# KiCad board RASRF2400WBMC.kicad_pcb
title: RASentinel Radio Frontend 2400MHz Wideband Multi-Channel; date: 2026-05-30; rev: A; company: Mina Daneshpajouh
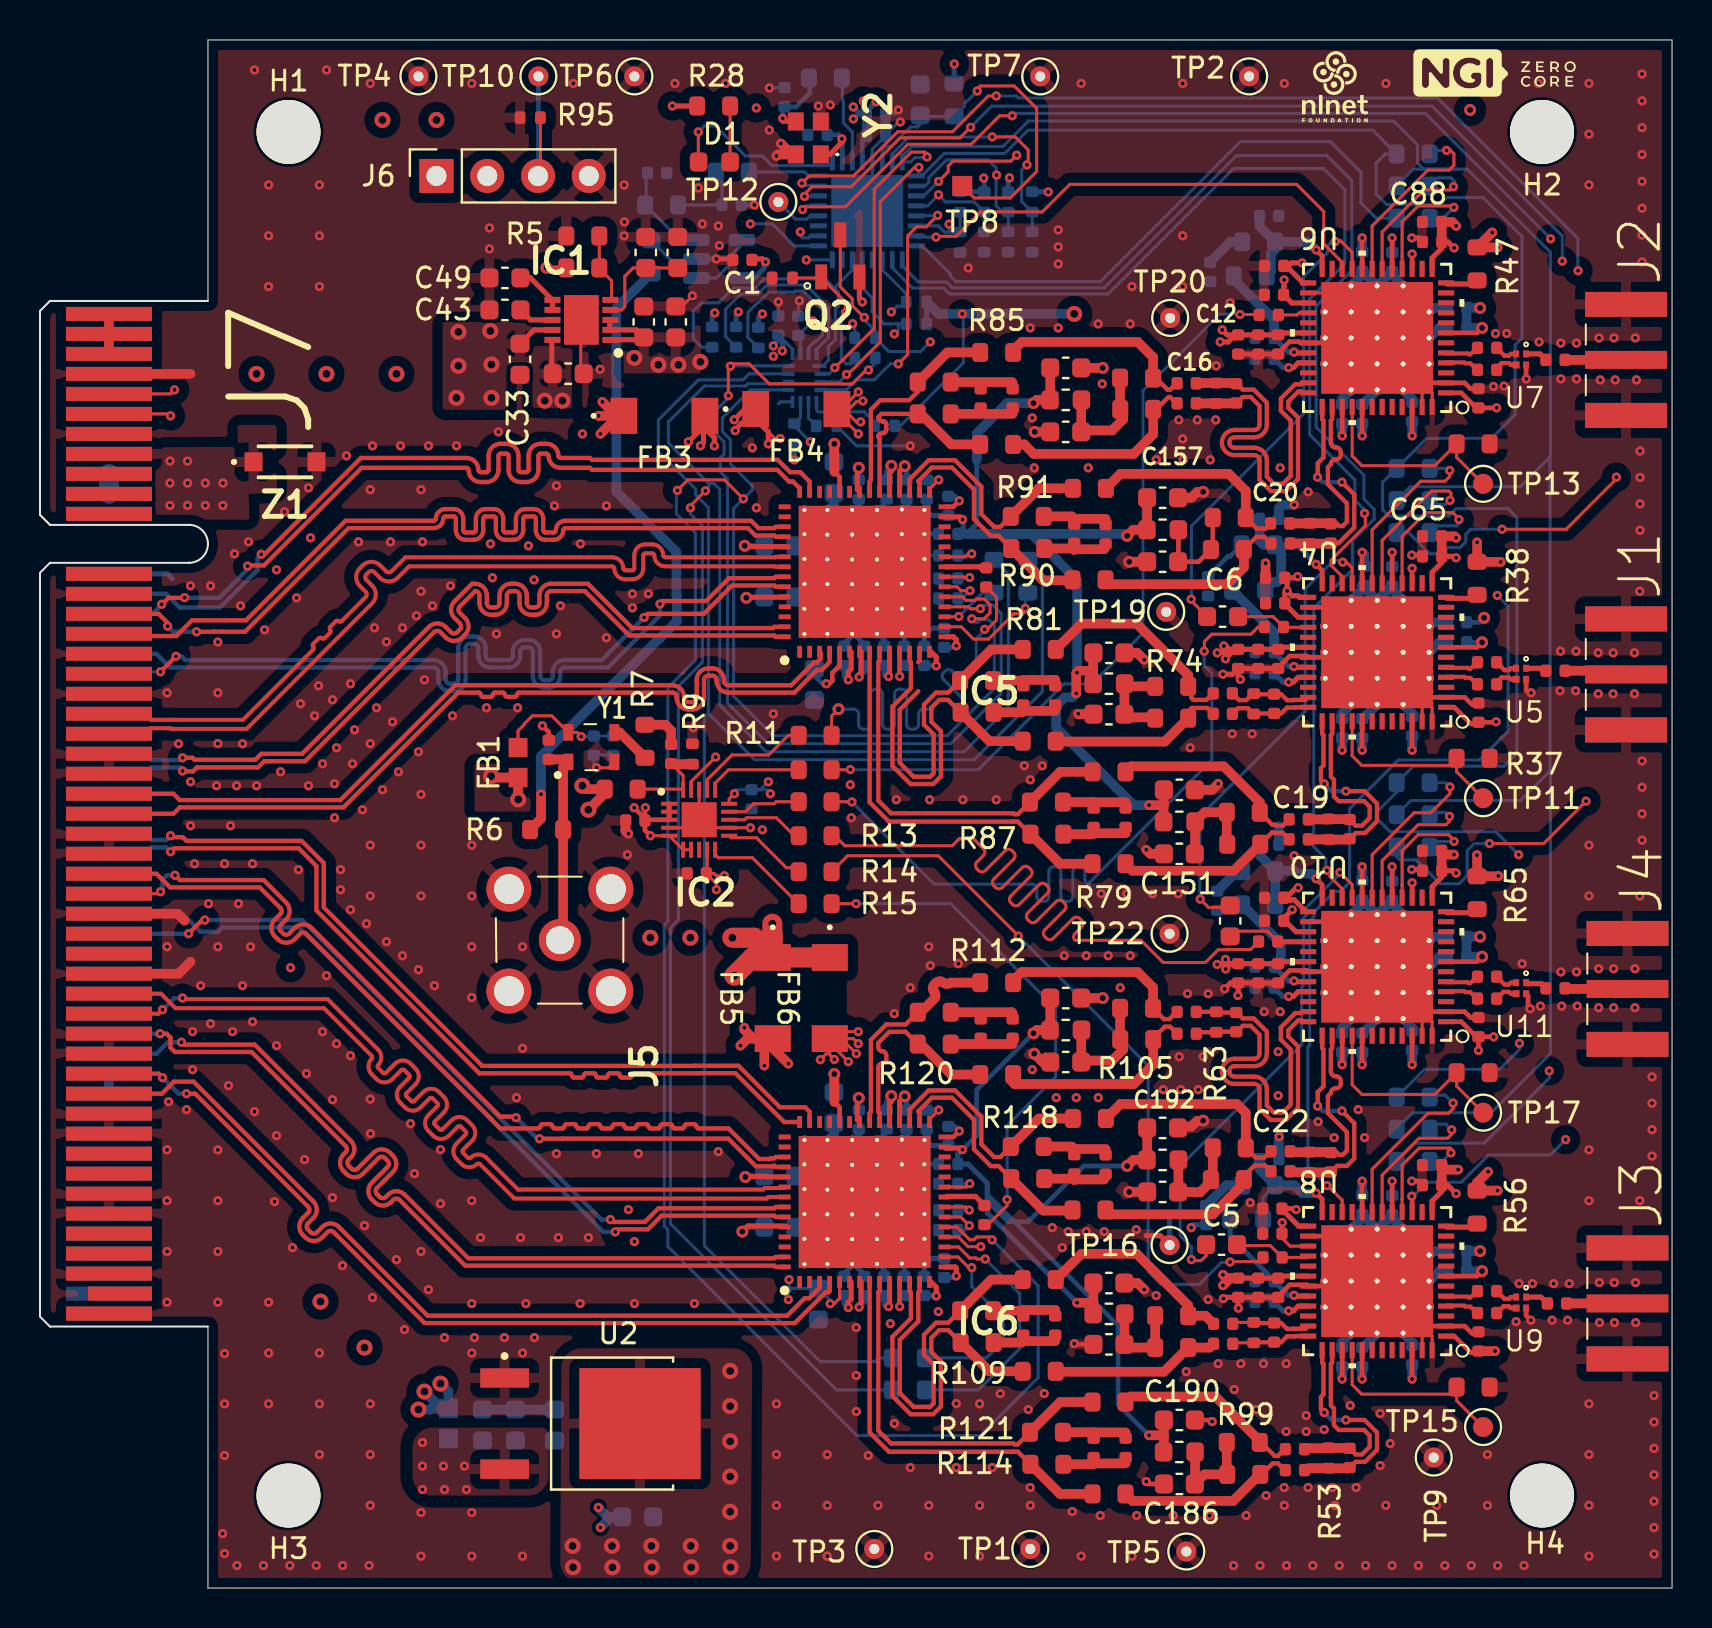
[diagram p0: board, top side]
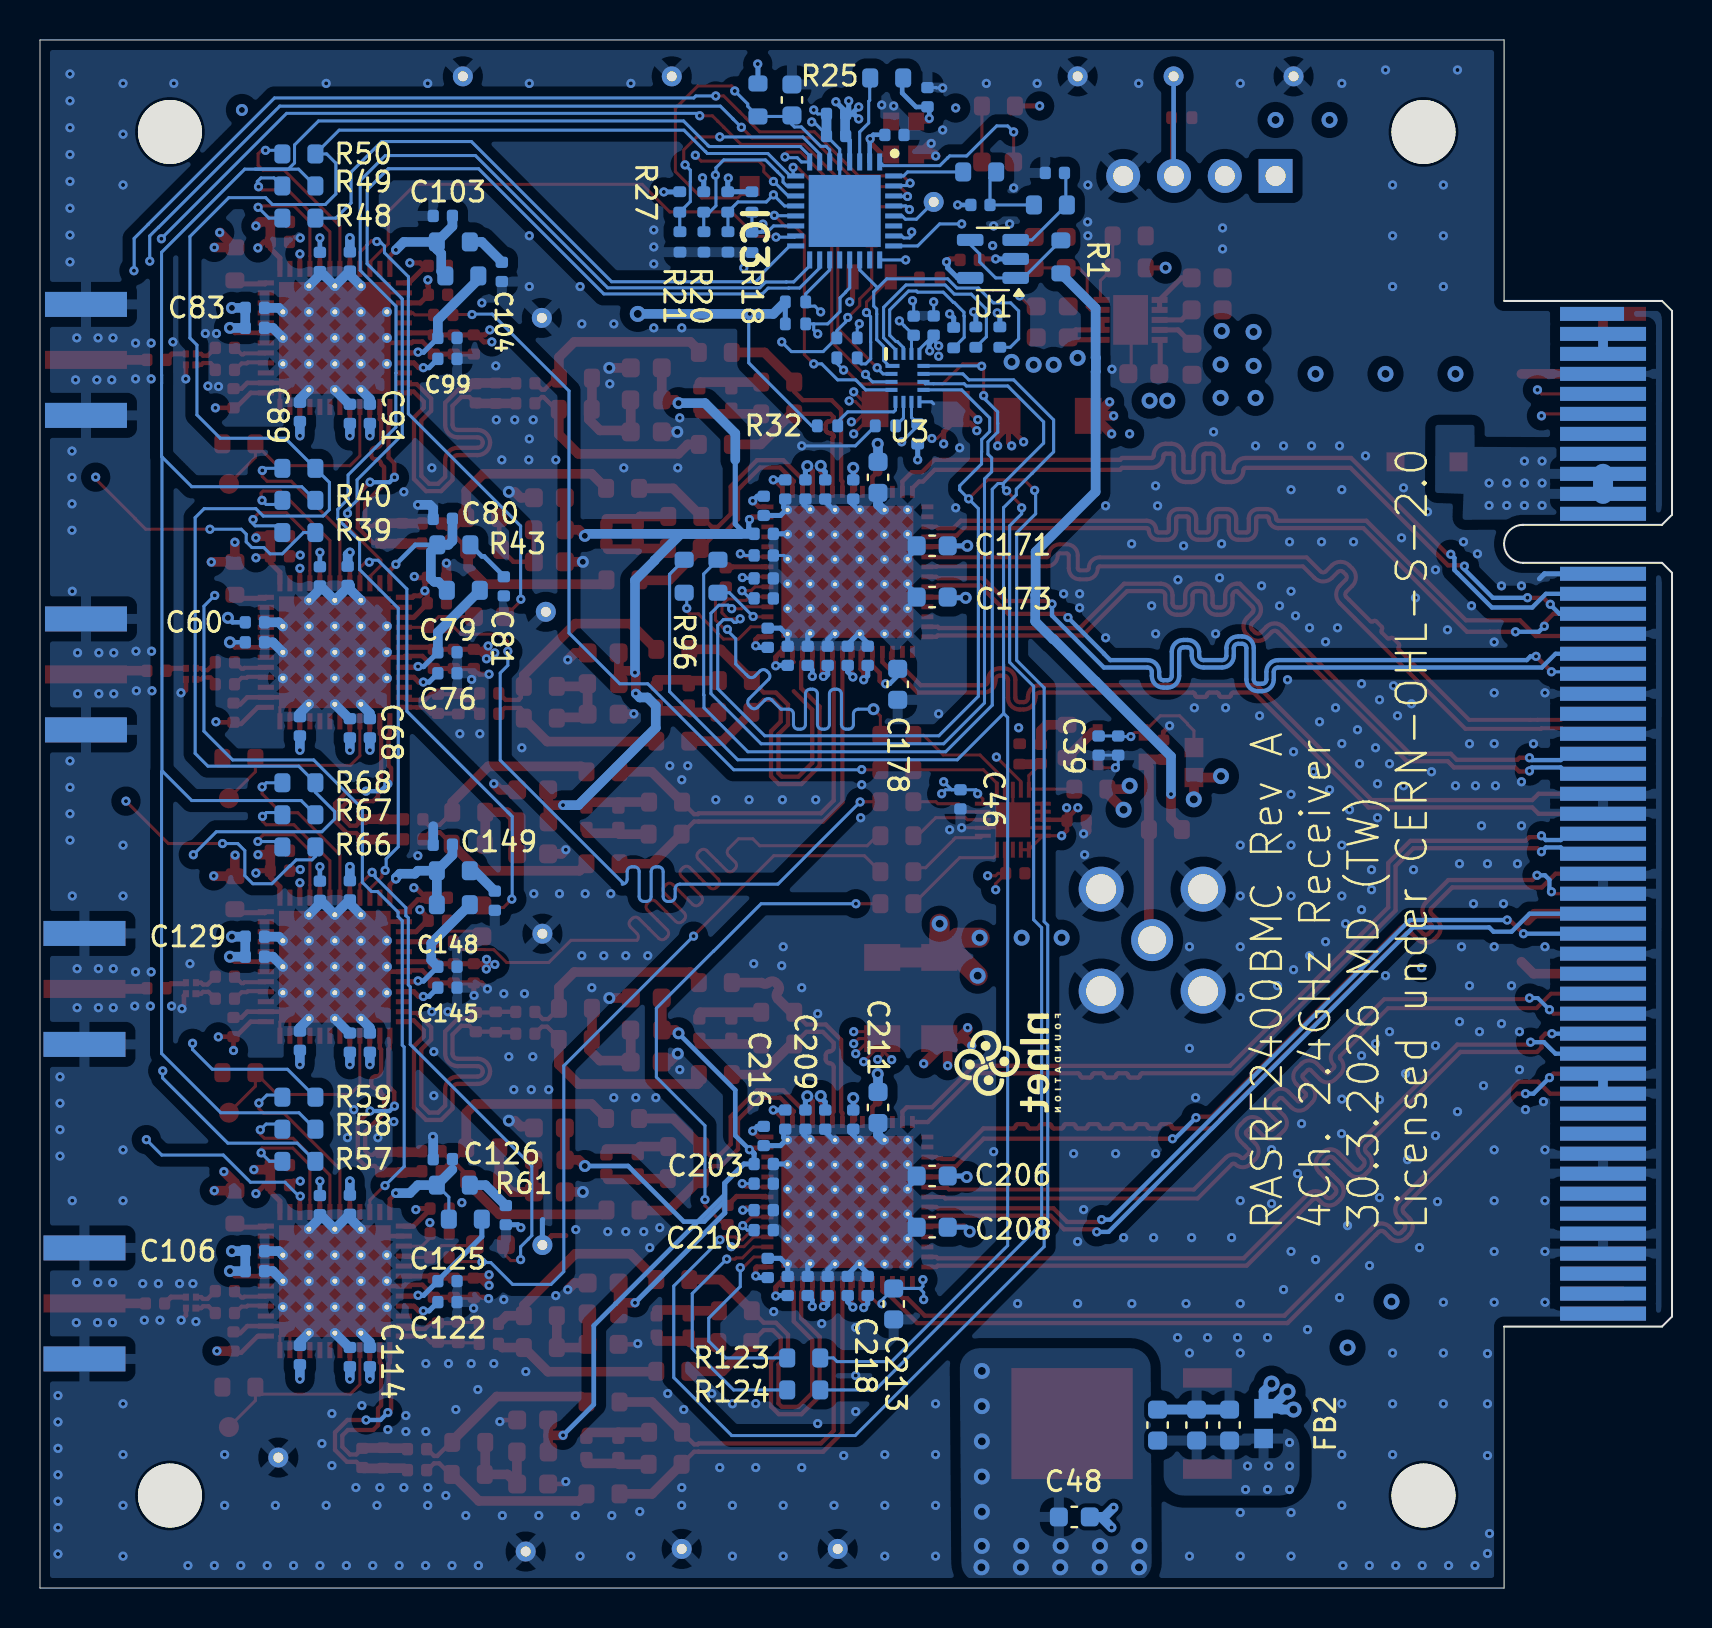
[diagram p1: board, bottom side, seen from below]

Outline 81.63 x 77.42 mm; copper layers: Top, In1.Cu (plane), In2.Cu (plane), In3.Cu (plane), In4.Cu (plane), Bottom. Coordinates in mm from the lower left corner of the outline.
Outline path: 8.4,64.38 8.4,77.42 81.63,77.42 81.63,0 8.4,0 8.4,13.08
Stack: Top 0.0305mm / dielectric 0.2032mm FR4 er 4.5 / In1.Cu 0.0305mm / dielectric 0.2032mm FR4 er 4.5 / In2.Cu 0.0305mm / dielectric 0.2032mm FR4 er 4.5 / In3.Cu 0.0305mm / dielectric 0.2032mm FR4 er 4.5 / In4.Cu 0.0305mm / dielectric 0.2032mm FR4 er 4.5 / Bottom 0.0305mm

## Placement (name value [footprint] x y rotation side)
C1  100nF  [C_0402_1005Metric]  35.13 66.42 180 top
C2  2200pF  [C_0402_1005Metric]  30.87 70.77 0 bottom  (not fitted)
C3  2200pF  [C_0402_1005Metric]  34.59 69.17 0 bottom
C4  100nF  [C_0603_1608Metric]  59.53 33.36 270 top  (not fitted)
C5  100nF  [C_0603_1608Metric]  59.1 17.17 0 top  (not fitted)
C6  100nF  [C_0603_1608Metric]  59.15 48.58 0 top  (not fitted)
C7  47pF  [C_0402_1005Metric]  75.8 45.88 180 top
C8  47pF  [C_0402_1005Metric]  75.8 61.42 180 top
C9  47pF  [C_0402_1005Metric]  75.88 14.23 180 top
C10  47pF  [C_0402_1005Metric]  75.8 30 180 top
C11  100nF  [C_0402_1005Metric]  61.65 16.53 0 top
C12  100nF  [C_0402_1005Metric]  61.46 63.67 0 top
C13  100nF  [C_0402_1005Metric]  61.43 32.33 0 top
C14  100nF  [C_0402_1005Metric]  61.72 48.06 0 top
C15  100nF  [C_0402_1005Metric]  59.16 44.75 180 top
C16  100nF  [C_0402_1005Metric]  57.35 60.25 180 top
C17  100nF  [C_0402_1005Metric]  59.18 13.22 180 top
C18  100nF  [C_0402_1005Metric]  57.35 28.81 180 top
C19  100nF  [C_0402_1005Metric]  62.96 38.45 0 top
C20  100nF  [C_0402_1005Metric]  62.03 53.25 0 top
C21  100nF  [C_0402_1005Metric]  62.77 6.94 0 top
C22  100nF  [C_0402_1005Metric]  62.05 21.84 0 top
C23  100nF  [C_0402_1005Metric]  62.96 37.44 180 top
C24  100nF  [C_0402_1005Metric]  59.16 43.72 180 top
C25  100nF  [C_0402_1005Metric]  62.05 52.25 180 top
C26  100nF  [C_0402_1005Metric]  57.35 59.25 180 top
C27  100nF  [C_0402_1005Metric]  62.77 5.89 180 top
C28  100nF  [C_0402_1005Metric]  59.18 12.22 180 top
C29  100nF  [C_0402_1005Metric]  62.05 20.84 180 top
C30  100nF  [C_0402_1005Metric]  57.35 27.72 180 top
C31  100nF  [C_0402_1005Metric]  47.33 50.55 90 top
C32  100nF  [C_0402_1005Metric]  47.24 18.66 90 top
C33  10uF  [C_0603_1608Metric]  24.01 61.45 270 top
C34  10uF  [C_0603_1608Metric]  26.42 60.73 0 top
C35  10uF  [C_0603_1608Metric]  23.78 8.15 90 bottom
C36  100nF  [C_0402_1005Metric]  27.7 42.14 270 bottom
C37  100nF  [C_0603_1608Metric]  25.73 8.15 90 bottom
C38  10uF  [C_0603_1608Metric]  31.9 66.8 90 top
C39  10nF  [C_0402_1005Metric]  28.68 42.14 270 bottom
C40  1uF  [C_0603_1608Metric]  30.3 66.8 90 top
C41  100nF  [C_0402_1005Metric]  25.45 41.92 90 top
C42  10uF  [C_0603_1608Metric]  22.13 8.15 90 bottom
C43  1uF  [C_0603_1608Metric]  23.25 63.92 180 top
C44  100nF  [C_0402_1005Metric]  31.57 41.72 90 top
C45  10nF  [C_0402_1005Metric]  32.85 35.75 180 top
C46  10nF  [C_0402_1005Metric]  35.59 39.44 270 bottom
C47  10nF  [C_0402_1005Metric]  29.78 38.39 180 top
C48  10uF  [C_0603_1608Metric]  29.9 3.56 180 bottom
C49  1uF  [C_0603_1608Metric]  23.25 65.53 180 top
C50  10uF  [C_0603_1608Metric]  30.2 63.33 90 top
C51  10uF  [C_0603_1608Metric]  31.8 63.33 90 top
C52  6pF  [C_0402_1005Metric]  38.89 72.67 180 bottom
C53  100nF  [C_0603_1608Metric]  44.02 74.42 90 bottom  (not fitted)
C54  6pF  [C_0402_1005Metric]  37.24 74.56 90 bottom
C55  10uF  [C_0402_1005Metric]  41.81 73.72 0 bottom
C56  100nF  [C_0402_1005Metric]  41.81 72.62 0 bottom
C57  100nF  [C_0402_1005Metric]  37.93 63.14 270 bottom
C58  100nF  [C_0402_1005Metric]  36.93 63.14 270 bottom
C59  10uF  [C_0402_1005Metric]  59.93 46.47 90 top
C60  10uF  [C_0402_1005Metric]  70.88 48.3 0 bottom
C61  100pF  [C_0402_1005Metric]  69.63 51.6 0 top
C62  100pF  [C_0402_1005Metric]  66.24 50.62 270 bottom
C63  10uF  [C_0402_1005Metric]  70.88 47.3 0 bottom
C64  10nF  [C_0402_1005Metric]  61.78 50.53 180 top
C65  100pF  [C_0402_1005Metric]  69.63 52.6 0 top
C66  10nF  [C_0402_1005Metric]  68.63 43.1 90 bottom
C67  10nF  [C_0402_1005Metric]  60.93 46.47 270 top
C68  100pF  [C_0402_1005Metric]  66.13 43 90 bottom
C69  10nF  [C_0402_1005Metric]  71.95 43.78 90 top
C70  100pF  [C_0402_1005Metric]  67.63 50.6 270 bottom
C71  10pF  [C_0402_1005Metric]  65.5 37.95 270 top  (not fitted)
C72  10pF  [C_0402_1005Metric]  61.73 44.22 90 top  (not fitted)
C73  10uF  [C_0402_1005Metric]  61.78 49.25 0 top
C74  10nF  [C_0402_1005Metric]  65.13 43 90 bottom
C75  100pF  [C_0402_1005Metric]  61.93 46.47 90 top
C76  100nF  [C_0402_1005Metric]  61.25 45.75 0 bottom
C77  1.5pF  [C_0402_1005Metric]  72.38 46.3 180 top
C78  1.5pF  [C_0402_1005Metric]  72.38 45.2 180 top
C79  68pF  [C_0402_1005Metric]  61.25 46.8 0 bottom
C80  100pF  [C_0402_1005Metric]  61.48 53.47 180 bottom
C81  2200pF  [C_0402_1005Metric]  58.43 50.1 90 bottom
C82  10uF  [C_0402_1005Metric]  59.93 62.19 90 top
C83  10uF  [C_0402_1005Metric]  70.88 64.02 0 bottom
C84  100pF  [C_0402_1005Metric]  69.63 67.32 0 top
C85  100pF  [C_0402_1005Metric]  66.13 66.34 270 bottom
C86  10uF  [C_0402_1005Metric]  70.88 63.02 0 bottom
C87  10nF  [C_0402_1005Metric]  61.73 66.12 180 top
C88  100pF  [C_0402_1005Metric]  69.63 68.32 0 top
C89  10nF  [C_0402_1005Metric]  68.63 58.83 90 bottom
C90  10nF  [C_0402_1005Metric]  60.93 62.19 270 top
C91  100pF  [C_0402_1005Metric]  66.13 58.72 90 bottom
C92  10nF  [C_0402_1005Metric]  71.95 59.5 90 top
C93  100pF  [C_0402_1005Metric]  67.63 66.33 270 bottom
C94  10pF  [C_0402_1005Metric]  64.56 52.75 270 top  (not fitted)
C95  10pF  [C_0402_1005Metric]  59.83 59.75 90 top  (not fitted)
C96  10uF  [C_0402_1005Metric]  61.72 64.69 0 top
C97  10nF  [C_0402_1005Metric]  65.13 58.72 90 bottom
C98  100pF  [C_0402_1005Metric]  61.93 62.19 90 top
C99  100nF  [C_0402_1005Metric]  61.25 61.47 0 bottom
C100  1.5pF  [C_0402_1005Metric]  72.38 62.02 180 top
C101  1.5pF  [C_0402_1005Metric]  72.38 60.92 180 top
C102  68pF  [C_0402_1005Metric]  61.25 62.52 0 bottom
C103  100pF  [C_0402_1005Metric]  61.48 68.62 180 bottom
C104  2200pF  [C_0402_1005Metric]  58.53 65.83 90 bottom
C105  10uF  [C_0402_1005Metric]  59.93 15.02 90 top
C106  10uF  [C_0402_1005Metric]  70.88 16.85 0 bottom
C107  100pF  [C_0402_1005Metric]  69.63 20.15 0 top
C108  100pF  [C_0402_1005Metric]  66.13 19.17 270 bottom
C109  10uF  [C_0402_1005Metric]  70.88 15.85 0 bottom
C110  10nF  [C_0402_1005Metric]  61.64 18.97 180 top
C111  100pF  [C_0402_1005Metric]  69.63 21.15 0 top
C112  10nF  [C_0402_1005Metric]  68.63 11.65 90 bottom
C113  10nF  [C_0402_1005Metric]  60.93 15.02 270 top
C114  100pF  [C_0402_1005Metric]  66.13 11.55 90 bottom
C115  10nF  [C_0402_1005Metric]  71.95 12.33 90 top
C116  100pF  [C_0402_1005Metric]  67.63 19.15 270 bottom
C117  10pF  [C_0402_1005Metric]  65.5 6.5 270 top  (not fitted)
C118  10pF  [C_0402_1005Metric]  61.73 12.77 90 top  (not fitted)
C119  10uF  [C_0402_1005Metric]  61.64 17.72 0 top
C120  10nF  [C_0402_1005Metric]  65.13 11.55 90 bottom
C121  100pF  [C_0402_1005Metric]  61.93 15.02 90 top
C122  100nF  [C_0402_1005Metric]  61.25 14.3 0 bottom
C123  1.5pF  [C_0402_1005Metric]  72.38 14.85 180 top
C124  1.5pF  [C_0402_1005Metric]  72.38 13.75 180 top
C125  68pF  [C_0402_1005Metric]  61.25 15.35 0 bottom
C126  100pF  [C_0402_1005Metric]  61.48 21.45 180 bottom
C127  2200pF  [C_0402_1005Metric]  58.33 18.65 90 bottom
C128  10uF  [C_0402_1005Metric]  59.93 30.74 90 top
C129  10uF  [C_0402_1005Metric]  70.88 32.57 0 bottom
C130  100pF  [C_0402_1005Metric]  69.63 35.87 0 top
C131  100pF  [C_0402_1005Metric]  66.13 34.89 270 bottom
C132  10uF  [C_0402_1005Metric]  70.88 31.57 0 bottom
C133  10nF  [C_0402_1005Metric]  61.73 34.53 180 top
C134  100pF  [C_0402_1005Metric]  69.63 36.87 0 top
C135  10nF  [C_0402_1005Metric]  68.63 27.37 90 bottom
C136  10nF  [C_0402_1005Metric]  60.93 30.74 270 top
C137  100pF  [C_0402_1005Metric]  66.13 27.27 90 bottom
C138  10nF  [C_0402_1005Metric]  71.95 28.05 90 top
C139  100pF  [C_0402_1005Metric]  67.63 34.87 270 bottom
C140  10pF  [C_0402_1005Metric]  64.56 21.29 270 top  (not fitted)
C141  10pF  [C_0402_1005Metric]  59.83 28.3 90 top  (not fitted)
C142  10uF  [C_0402_1005Metric]  61.73 33.38 0 top
C143  10nF  [C_0402_1005Metric]  65.13 27.27 90 bottom
C144  100pF  [C_0402_1005Metric]  61.93 30.74 90 top
C145  100nF  [C_0402_1005Metric]  61.25 30.02 0 bottom
C146  1.5pF  [C_0402_1005Metric]  72.38 30.57 180 top
C147  1.5pF  [C_0402_1005Metric]  72.38 29.47 180 top
C148  68pF  [C_0402_1005Metric]  61.25 31.07 0 bottom
C149  100pF  [C_0402_1005Metric]  61.48 37.17 180 bottom
C150  2200pF  [C_0402_1005Metric]  58.88 34.37 90 bottom
C151  100nF  [C_0603_1608Metric]  56.99 36.72 180 top
C152  100nF  [C_0603_1608Metric]  53.47 43.7 180 top
C153  100nF  [C_0603_1608Metric]  56.15 51.33 180 top
C154  100nF  [C_0603_1608Metric]  51.31 57.83 180 top
C155  100nF  [C_0603_1608Metric]  56.99 39.92 0 top
C156  100nF  [C_0603_1608Metric]  53.47 46.77 0 top
C157  100nF  [C_0603_1608Metric]  56.15 54.53 0 top
C158  100nF  [C_0603_1608Metric]  51.31 61.02 0 top
C159  11pF  [C_0402_1005Metric]  52.7 38.53 90 top
C160  11pF  [C_0402_1005Metric]  49.18 44.64 270 top
C161  11pF  [C_0402_1005Metric]  51.73 52.72 90 top
C162  11pF  [C_0402_1005Metric]  47.05 59.5 270 top
C163  11pF  [C_0402_1005Metric]  54.3 38.52 90 top
C164  11pF  [C_0402_1005Metric]  50.78 44.64 270 top
C165  11pF  [C_0402_1005Metric]  53.3 52.7 90 top
C166  11pF  [C_0402_1005Metric]  48.65 59.5 270 top
C167  100nF  [C_0402_1005Metric]  45.43 50.5 0 bottom
C168  100nF  [C_0402_1005Metric]  45.43 52.72 180 bottom
C169  100nF  [C_0402_1005Metric]  40.95 54.94 270 bottom
C170  100nF  [C_0402_1005Metric]  42.35 54.94 270 bottom
C171  0.22uF  [C_0603_1608Metric]  37 52.12 0 bottom
C172  100nF  [C_0402_1005Metric]  44.35 54.94 270 bottom
C173  0.22uF  [C_0603_1608Metric]  37 49.56 0 bottom
C174  100nF  [C_0402_1005Metric]  43.35 54.94 270 bottom
C175  100nF  [C_0402_1005Metric]  45.43 49.5 180 bottom
C176  0.22uF  [C_0603_1608Metric]  39.71 55.55 270 bottom
C177  100nF  [C_0402_1005Metric]  45.43 51.64 180 bottom
C178  0.22uF  [C_0603_1608Metric]  38.73 45.2 270 bottom
C179  100nF  [C_0402_1005Metric]  43.23 46.62 90 bottom
C180  100nF  [C_0402_1005Metric]  45.23 47.53 90 bottom
C181  100nF  [C_0402_1005Metric]  45.43 54.12 270 bottom
C182  100nF  [C_0402_1005Metric]  44.23 46.62 90 bottom
C183  100nF  [C_0402_1005Metric]  40.23 46.62 90 bottom
C184  100nF  [C_0402_1005Metric]  42.23 46.62 90 bottom
C185  100nF  [C_0402_1005Metric]  41.23 46.62 90 bottom
C186  100nF  [C_0603_1608Metric]  56.99 5.2 180 top
C187  100nF  [C_0603_1608Metric]  53.47 12.19 180 top
C188  100nF  [C_0603_1608Metric]  56.15 19.81 180 top
C189  100nF  [C_0603_1608Metric]  51.31 26.31 180 top
C190  100nF  [C_0603_1608Metric]  56.99 8.4 0 top
C191  100nF  [C_0603_1608Metric]  53.47 15.25 0 top
C192  100nF  [C_0603_1608Metric]  56.15 23.01 0 top
C193  100nF  [C_0603_1608Metric]  51.31 29.51 0 top
C194  11pF  [C_0402_1005Metric]  52.7 7.01 90 top
C195  11pF  [C_0402_1005Metric]  49.18 13.13 270 top
C196  11pF  [C_0402_1005Metric]  51.73 21.19 90 top
C197  11pF  [C_0402_1005Metric]  47.05 27.98 270 top
C198  11pF  [C_0402_1005Metric]  54.3 7.01 90 top
C199  11pF  [C_0402_1005Metric]  50.78 13.13 270 top
C200  11pF  [C_0402_1005Metric]  53.3 21.18 90 top
C201  11pF  [C_0402_1005Metric]  48.65 27.98 270 top
C202  100nF  [C_0402_1005Metric]  45.43 18.9 0 bottom
C203  100nF  [C_0402_1005Metric]  45.43 21.21 180 bottom
C204  100nF  [C_0402_1005Metric]  40.95 23.43 270 bottom
C205  100nF  [C_0402_1005Metric]  42.35 23.43 270 bottom
C206  0.22uF  [C_0603_1608Metric]  37 20.61 0 bottom
C207  100nF  [C_0402_1005Metric]  44.35 23.43 270 bottom
C208  0.22uF  [C_0603_1608Metric]  37 18.04 0 bottom
C209  100nF  [C_0402_1005Metric]  43.35 23.43 270 bottom
C210  100nF  [C_0402_1005Metric]  45.43 17.9 180 bottom
C211  0.22uF  [C_0603_1608Metric]  39.71 24.03 270 bottom
C212  100nF  [C_0402_1005Metric]  45.43 20.22 180 bottom
C213  0.22uF  [C_0603_1608Metric]  38.93 14.21 270 bottom
C214  100nF  [C_0402_1005Metric]  43.23 15.11 90 bottom
C215  100nF  [C_0402_1005Metric]  45.23 16.01 90 bottom
C216  100nF  [C_0402_1005Metric]  45.43 22.61 270 bottom
C217  100nF  [C_0402_1005Metric]  44.23 15.11 90 bottom
C218  100nF  [C_0402_1005Metric]  40.23 15.11 90 bottom
C219  100nF  [C_0402_1005Metric]  42.23 15.11 90 bottom
C220  100nF  [C_0402_1005Metric]  41.23 15.11 90 bottom
D1  APTD1608SECK/J4-PF  [LED_0603_1608Metric]  33.73 71.33 0 top
FB1  BLM18BD601BH1D  [IND_BLM18_0603_MUR]  23.91 41.28 90 top
FB2  BLM18SG331TN1B  [IND_BLM18_0603_MUR]  20.43 8.22 90 bottom
FB3  BLM41PG102SN1L  [IND_BLM41_1806_MUR]  31.23 58.62 0 top
FB4  BLM41PG102SN1L  [IND_BLM41_1806_MUR]  37.83 58.97 0 top
FB5  BLM41PG102SN1L  [IND_BLM41_1806_MUR]  36.65 29.51 270 top
FB6  BLM41PG102SN1L  [IND_BLM41_1806_MUR]  39.51 29.51 270 top
H1  MountingHole  [MountingHole_3.2mm_M3_ISO7380]  12.43 72.83 0 top  (not fitted)
H2  MountingHole  [MountingHole_3.2mm_M3_ISO7380]  75.13 72.83 0 top  (not fitted)
H3  MountingHole  [MountingHole_3.2mm_M3_ISO7380]  12.43 4.62 0 top  (not fitted)
H4  MountingHole  [MountingHole_3.2mm_M3_ISO7380]  75.13 4.62 0 top  (not fitted)
IC1  ADP7156ACPZ-3.0-R7  [SON50P300X300X80-11N-D]  27.08 63.42 180 top
IC2  5PB1206NDGK8  [QFN40P300X300X100-21N-D]  32.97 38.42 0 top
IC3  STM32C031K6U6  [QFN50P500X500X60-33N-D]  41.38 68.88 270 bottom
IC5  ADC3424IRTQR  [QFN50P800X800X100-57N-D]  41.25 50.82 90 top
IC6  ADC3424IRTQR  [QFN50P800X800X100-57N-D]  41.25 19.31 90 top
J1  60312202111527  [JACK_02114307_WRE]  81.38 45.69 90 top
J2  60312202111527  [JACK_02114307_WRE]  81.38 61.42 90 top
J3  60312202111527  [JACK_02114307_WRE]  81.46 14.23 90 top
J4  60312202111527  [JACK_02114307_WRE]  81.46 29.96 90 top
J5  1-1478979-0  [114789790]  25.99 32.41 270 top  (not fitted)
J6  Conn_01x04_Pin  [PinSocket_1x04_P2.54mm_Vertical]  19.83 70.62 90 top
J7  PCIexpress_x8  [BUS_PCIexpress_x8]  3.45 63.72 270 top  (not fitted)
L1  0  [L_0603_1608Metric]  56.99 38.32 180 top
L2  0  [L_0603_1608Metric]  53.47 45.23 180 top
L3  0  [L_0603_1608Metric]  56.15 52.93 180 top
L4  0  [L_0603_1608Metric]  51.31 59.42 180 top
L5  0  [L_0603_1608Metric]  56.99 6.8 180 top
L6  0  [L_0603_1608Metric]  53.47 13.71 180 top
L7  0  [L_0603_1608Metric]  56.15 21.41 180 top
L8  0  [L_0603_1608Metric]  51.31 27.91 180 top
Q2  MMBT3904LT1G  [SOT96P237X111-3N]  40.03 66.62 90 top
R1  0  [R_0603_1608Metric]  30.57 66.57 90 bottom  (not fitted)
R2  10K  [R_0603_1608Metric]  31.09 69.17 0 bottom  (not fitted)
R3  10K  [R_0603_1608Metric]  34.63 70.82 180 bottom
R4  100K  [R_0603_1608Metric]  27.15 66.02 180 top
R5  68.1K  [R_0603_1608Metric]  27.15 67.62 0 top
R6  0  [R_0603_1608Metric]  25.34 37.94 180 top
R7  0  [R_0603_1608Metric]  30.26 42.35 90 top
R8  10K  [R_0603_1608Metric]  29.07 39.95 180 top
R9  10K  [R_0402_1005Metric]  32.63 41.72 270 top
R10  33  [R_0603_1608Metric]  38.77 40.92 0 top
R11  33  [R_0603_1608Metric]  38.77 42.65 0 top
R12  33  [R_0603_1608Metric]  38.77 39.33 0 top
R13  33  [R_0603_1608Metric]  38.77 37.62 0 top
R14  33  [R_0603_1608Metric]  38.77 35.83 0 top
R15  33  [R_0603_1608Metric]  38.77 34.22 0 top
R16  4K7  [R_0402_1005Metric]  43.84 63.22 0 bottom  (not fitted)
R17  4K7  [R_0402_1005Metric]  43.84 64.33 180 bottom  (not fitted)
R18  100K  [R_0402_1005Metric]  46.02 67.3 90 bottom
R19  100K  [R_0402_1005Metric]  47.22 67.33 90 bottom
R20  100K  [R_0402_1005Metric]  48.42 67.33 90 bottom
R21  100K  [R_0402_1005Metric]  49.62 67.33 90 bottom
R22  100K  [R_0603_1608Metric]  45.72 74.43 270 bottom  (not fitted)
R23  10K  [R_0402_1005Metric]  46.02 69.32 90 bottom
R24  10K  [R_0402_1005Metric]  47.23 69.33 90 bottom
R25  0  [R_0603_1608Metric]  39.28 75.53 0 bottom
R26  10K  [R_0402_1005Metric]  48.43 69.33 90 bottom
R27  10K  [R_0402_1005Metric]  49.63 69.33 90 bottom
R28  1K  [R_0603_1608Metric]  33.69 74.12 180 top
R29  10K  [R_0402_1005Metric]  33.62 62.56 270 bottom
R30  10K  [R_0402_1005Metric]  37.73 57.72 90 bottom
R31  10K  [R_0402_1005Metric]  39.34 58.12 0 bottom
R32  10K  [R_0402_1005Metric]  42.24 58.12 0 bottom
R33  10K  [R_0402_1005Metric]  34.82 62.56 90 bottom
R34  10K  [R_0402_1005Metric]  35.93 62.53 90 bottom
R35  10K  [R_0402_1005Metric]  64.46 37.95 270 top  (not fitted)
R36  10K  [R_0402_1005Metric]  60.71 44.22 90 top  (not fitted)
R37  0  [R_0603_1608Metric]  71.68 41.5 180 top
R38  0  [R_0603_1608Metric]  71.88 50.5 270 top
R39  100  [R_0603_1608Metric]  68.68 52.79 0 bottom
R40  49.9  [R_0603_1608Metric]  68.68 54.4 0 bottom
R41  49.9  [R_0603_1608Metric]  68.68 56 0 bottom
R42  750  [R_0603_1608Metric]  60.46 49.9 180 bottom
R43  1.2K  [R_0603_1608Metric]  60.93 52.17 0 bottom
R44  10K  [R_0402_1005Metric]  63.52 52.75 270 top  (not fitted)
R45  10K  [R_0402_1005Metric]  58.83 59.76 90 top  (not fitted)
R46  0  [R_0603_1608Metric]  71.68 57.22 180 top
R47  0  [R_0603_1608Metric]  71.88 66.22 270 top
R48  100  [R_0603_1608Metric]  68.68 68.52 0 bottom
R49  49.9  [R_0603_1608Metric]  68.68 70.12 0 bottom
R50  49.9  [R_0603_1608Metric]  68.68 71.72 0 bottom
R51  750  [R_0603_1608Metric]  60.53 65.62 180 bottom
R52  1.2K  [R_0603_1608Metric]  60.96 67.32 0 bottom
R53  10K  [R_0402_1005Metric]  64.46 6.5 270 top  (not fitted)
R54  10K  [R_0402_1005Metric]  60.71 12.77 90 top  (not fitted)
R55  0  [R_0603_1608Metric]  71.68 10.05 180 top
R56  0  [R_0603_1608Metric]  71.88 19.05 270 top
R57  100  [R_0603_1608Metric]  68.68 21.34 0 bottom
R58  49.9  [R_0603_1608Metric]  68.68 22.95 0 bottom
R59  49.9  [R_0603_1608Metric]  68.68 24.55 0 bottom
R60  750  [R_0603_1608Metric]  60.35 18.45 180 bottom
R61  1.2K  [R_0603_1608Metric]  60.96 20.15 0 bottom
R62  10K  [R_0402_1005Metric]  63.52 21.29 270 top  (not fitted)
R63  10K  [R_0402_1005Metric]  58.83 28.31 90 top  (not fitted)
R64  0  [R_0603_1608Metric]  71.68 25.77 180 top
R65  0  [R_0603_1608Metric]  71.88 34.77 270 top
R66  100  [R_0603_1608Metric]  68.68 37.06 0 bottom
R67  49.9  [R_0603_1608Metric]  68.68 38.67 0 bottom
R68  49.9  [R_0603_1608Metric]  68.68 40.27 0 bottom
R69  750  [R_0603_1608Metric]  60.96 34.17 180 bottom
R70  1.2K  [R_0603_1608Metric]  60.96 35.87 0 bottom
R71  1K  [R_0603_1608Metric]  60.21 37.2 0 top
R72  1K  [R_0603_1608Metric]  60.19 38.8 180 top
R73  1K  [R_0603_1608Metric]  56.6 45.09 0 top
R74  1K  [R_0603_1608Metric]  56.6 43.51 180 top
R75  1K  [R_0603_1608Metric]  59.39 51.94 0 top
R76  1K  [R_0603_1608Metric]  59.48 53.53 180 top
R77  1K  [R_0603_1608Metric]  54.85 60.51 0 top
R78  1K  [R_0603_1608Metric]  54.86 58.95 180 top
R79  0  [R_0603_1608Metric]  53.47 36.22 0 top
R80  0  [R_0603_1608Metric]  53.47 40.82 0 top
R81  0  [R_0603_1608Metric]  49.98 46.94 0 top
R82  0  [R_0603_1608Metric]  49.98 42.36 0 top
R83  0  [R_0603_1608Metric]  52.47 50.42 0 top
R84  0  [R_0603_1608Metric]  52.49 55 0 top
R85  0  [R_0603_1608Metric]  47.85 61.8 0 top
R86  0  [R_0603_1608Metric]  47.85 57.2 0 top
R87  150  [R_0603_1608Metric]  50.37 37.7 180 top
R88  150  [R_0603_1608Metric]  46.85 45.38 180 top
R89  150  [R_0603_1608Metric]  46.88 43.8 0 top
R90  150  [R_0603_1608Metric]  49.41 51.99 180 top
R91  150  [R_0603_1608Metric]  49.38 53.6 0 top
R92  150  [R_0603_1608Metric]  44.73 60.31 180 top
R93  150  [R_0603_1608Metric]  44.73 58.72 0 top
R94  150  [R_0603_1608Metric]  50.34 39.31 0 top
R95  10K  [R_0402_1005Metric]  24.52 73.54 0 top
R96  49.9  [R_0603_1608Metric]  49.41 50.61 270 bottom
R97  0  [R_0603_1608Metric]  47.72 50.61 270 bottom
R98  1K  [R_0603_1608Metric]  60.21 5.68 0 top
R99  1K  [R_0603_1608Metric]  60.19 7.28 180 top
R100  1K  [R_0603_1608Metric]  56.6 13.62 0 top
R101  1K  [R_0603_1608Metric]  56.6 12.03 180 top
R102  1K  [R_0603_1608Metric]  59.39 20.43 0 top
R103  1K  [R_0603_1608Metric]  59.48 22.02 180 top
R104  1K  [R_0603_1608Metric]  54.85 28.99 0 top
R105  1K  [R_0603_1608Metric]  54.86 27.44 180 top